# Altium PCB PCB - v4.PcbDoc (part 1 of 2) (continued)
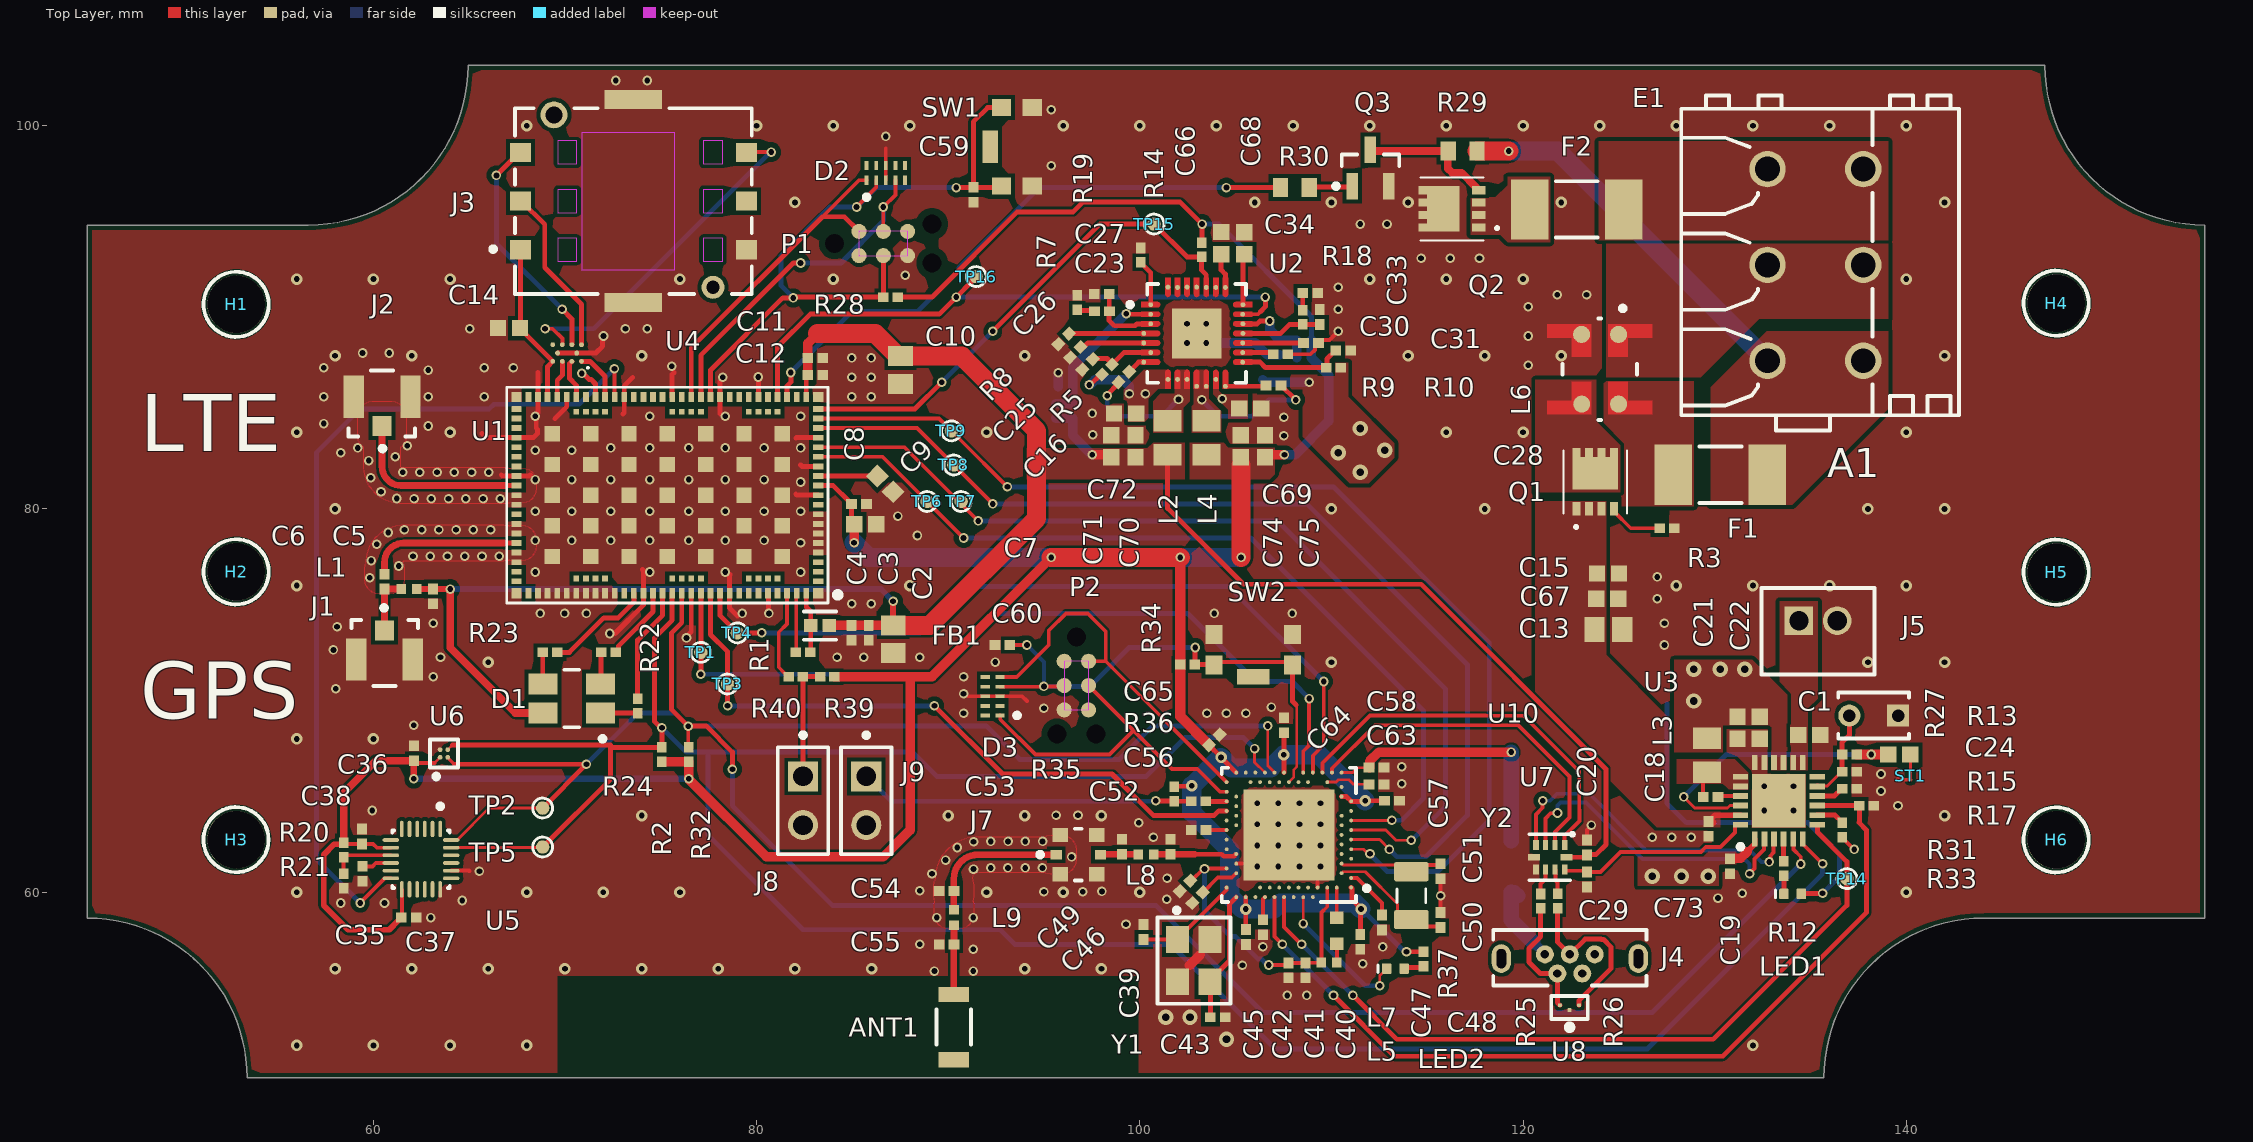
[diagram p0: Top Layer view]
## Footprints (in the part's own frame and the unit in brackets; to place one, negate y for a bottom-side part, rotate by r counter-clockwise, add the part's x,y. Pads: shape width x height; smd on the part's side, far side on the other; paste and mask are expansions set on the pad) (continued)
  rect 0.8x0.8 smd mask+0.05: 103(-6,3.2) 103(-6,-1.6) 103(-6,0) 103(-6,1.6) 103(-6,-3.2) 103(-4,3.2) 103(-4,-1.6) 103(-4,0) 103(-4,1.6) 103(-4,-3.2) 103(-2,1.6) 103(-2,3.2) 103(-2,0) 103(-2,-3.2) 103(-2,-1.6) 103(0,3.2) 103(0,1.6) 103(0,0) 103(0,-1.6) 103(0,-3.2) 103(2,1.6) 103(2,3.2) 103(2,0) 103(2,-3.2) 103(2,-1.6) 103(4,3.2) 103(4,-1.6) 103(4,0) 103(4,1.6) 103(4,-3.2) 103(6,3.2) 103(6,-1.6) 103(6,0) 103(6,1.6) 103(6,-3.2)
  rect 0.3x0.3 smd mask+0.05: 104(-5.75,-4.35) 105(-5.25,-4.35) 106(-4.75,-4.35) 107(-4.25,-4.35) 108(-1.75,-4.35) 109(-1.25,-4.35) 110(-0.75,-4.35) 111(-0.25,-4.35) 112(3.25,-4.35) 113(3.75,-4.35) 114(4.25,-4.35) 115(4.75,-4.35) 116(4.75,4.35) 117(4.25,4.35) 118(3.75,4.35) 119(3.25,4.35) 120(-0.25,4.35) 121(-0.75,4.35) 122(-1.25,4.35) 123(-1.75,4.35) 124(-4.25,4.35) 125(-4.75,4.35) 126(-5.25,4.35) 127(-5.75,4.35)
  silkscreen extent -9.04,-5.63 8.38,5.63
LMZF_5_135_03 [mm] "OMNIMATE Signal - Serie LMZF  LMZF 5/3/135 3.5OR"
  round 1.9 hole 1.3: A1(-4.9,2.25) A1(-4.9,-2.75) A2(0.1,2.25) A2(0.1,-2.75) A3(5.1,2.25) A3(5.1,-2.75)
  silkscreen extent -8.75,-7.25 8.75,7.25, body extent -8.75,-7.25 8.75,7.25, height 12.99
MCIPTG33K-V-Footprint-1 [mm]
  rect 0.9x1 smd paste-1000 mask+0: 1(-2.05,-0.6) 2(-2.05,-2.2) 3(2.05,-0.6) 4(2.05,-2.2)
  rect 1.7x0.8 smd paste-1000 mask+0: 5(0,0)
  body extent -2.5,-2.5 2.5,-0.3, height 1.9
"New footprint 1" [mil]
  round 30.98 smd paste-39370.1: 1(0,0) 2(0,50) 3(50,0) 4(50,50) 5(100,0) 6(100,50)
  round 0 hole 39 unplated paste-39370.1 mask+0: ""(-50,25) ""(150,-15) ""(150,65)
  Keep-Out Layer region: 0,0 100,0 100,50 0,50
NRSC-AQFN-73 [mm] "AQFN, 73-Leads, Body 7x7mm, Pitch 0.5mm"
  rect 4.75x4.75 smd: 74(0,0)
  round 0.2 smd: A8(-1.25,3.25) A10(-0.75,3.25) A12(-0.25,3.25) A14(0.25,3.25) A16(0.75,3.25) A18(1.25,3.25) A20(1.75,3.25) A22(2.25,3.25) A23(2.75,3.25) AA24(3.25,-2.25) AB2(-2.75,-2.5) AC5(-2,-2.75) AC9(-1,-2.75) AC11(-0.5,-2.75) AC13(0,-2.75) AC15(0.5,-2.75) AC17(1,-2.75) AC19(1.5,-2.75) AC21(2,-2.75) AC24(3.25,-2.75) AD2(-2.75,-3.25) AD4(-2.25,-3.25) AD6(-1.75,-3.25) AD8(-1.25,-3.25) AD10(-0.75,-3.25) AD14(0.25,-3.25) AD16(0.75,-3.25) AD18(1.25,-3.25) AD20(1.75,-3.25) AD22(2.25,-3.25) AD23(2.75,-3.25) B1(-3.25,2.75) B3(-2.5,2.75) B5(-2,2.75) B7(-1.5,2.75) B9(-1,2.75) B11(-0.5,2.75) B13(0,2.75) B15(0.5,2.75) B17(1,2.75) B19(1.5,2.75) B24(3.25,2.75) C1(-3.25,2.25) D2(-2.75,2) D23(2.75,2) E24(3.25,1.75) F2(-2.75,1.5) F23(2.75,1.5) G1(-3.25,1.25) H2(-2.75,1) H23(2.75,1) J1(-3.25,0.75) J24(3.25,0.75) K2(-2.75,0.5) L1(-3.25,0.25) L24(3.25,0.25) M2(-2.75,0) N1(-3.25,-0.25) N24(3.25,-0.25) P2(-2.75,-0.5) P23(2.75,-0.5) R1(-3.25,-0.75) R24(3.25,-0.75) T2(-2.75,-1) T23(2.75,-1) U1(-3.25,-1.25) U24(3.25,-1.25) V23(2.75,-1.5) W1(-3.25,-1.75) W24(3.25,-1.75) Y2(-2.75,-2) Y23(2.75,-2)
  silkscreen extent -4.19,-3.5 3.5,3.5, body extent -3.5,-3.5 3.5,3.5, height 0.85
NXP-SOT23_N [mm] "SOT23, 3-Leads, Body 3x1.4mm, Pitch 0.95mm, IPC Medium Density"
  rect 1.4x0.6 smd: 1(-0.95,0.95) 2(-0.95,-0.95) 3(0.95,0)
  silkscreen extent -1.07,-1.5 0.7,1.92, body extent -0.7,-1.5 0.7,1.5, height 1.1
ONSC-WLCSP-10-567BL-01 [mm] "BGA, 10-Balls, Body 1.96x1.33mm"
  round 0.25 smd: A1(-0.75,0.435) A2(-0.25,0.435) A3(0.25,0.435) A4(0.75,0.435) B1(-0.5,0) B2(0.5,0) C1(-0.75,-0.435) C2(-0.25,-0.435) C3(0.25,-0.435) C4(0.75,-0.435)
  silkscreen extent -1.14,0.72 -1.04,0.82, body extent -0.98,-0.66 0.98,0.66, height 0.72
PI3USB221EQ1ZUAEX-Footprint-1 [mm]
  rect 0.53x0.3 smd paste-1000 mask+0.06: 1(-0.64,0.75) 4(-0.64,-0.75) 6(0.64,-0.75) 9(0.64,0.75)
  rect 0.53x0.25 smd paste-1000 mask+0.06: 2(-0.64,0.25) 3(-0.64,-0.25) 7(0.64,-0.25) 8(0.64,0.25)
  rect 0.35x0.63 smd paste-1000 mask+0.06: 5(0,-0.84) 10(0,0.84)
  silkscreen extent -1.25,-1.1 1.2,1.2, body extent -0.75,-1 0.75,1, height 0.48
QFN50P400X400X80-25N-D [mm]
  rect 0.8x0.3 smd: 1(-2,1.25) 2(-2,0.75) 3(-2,0.25) 4(-2,-0.25) 5(-2,-0.75) 6(-2,-1.25) 13(2,-1.25) 14(2,-0.75) 15(2,-0.25) 16(2,0.25) 17(2,0.75) 18(2,1.25)
  rect 0.3x0.8 smd: 7(-1.25,-2) 8(-0.75,-2) 9(-0.25,-2) 10(0.25,-2) 11(0.75,-2) 12(1.25,-2) 19(1.25,2) 20(0.75,2) 21(0.25,2) 22(-0.25,2) 23(-0.75,2) 24(-1.25,2)
  rect 2.8x2.8 smd: 25(0,0)
  silkscreen extent -2.52,1.88 -2.28,2.12, body extent -2.05,-2.05 2.05,2.05, height 0.8
QTB-QBLP595_V [mm] "SMD, 2-Leads, Body 1x0.5mm"
  rrect25% 0.5x0.55 smd: 1(-0.455,0) 2(0.455,0)
  silkscreen extent -0.9,-0.2 -0.9,0.2, body extent -0.5,-0.25 0.5,0.25, height 0.5
"RESC1005X40X25LL10T10 HD" [mm] "Chip Resistor, 2-Leads, Body 1.1x0.6mm, IPC High Density"
  rect 0.55x0.5 smd: 1(-0.375,0) 2(0.375,0)
  body extent -0.55,-0.27 0.55,0.28, height 0.4
RESC1608X55X25ML10T15 [mm] "Chip Resistor, 2-Leads, Body 1.70x0.90mm, IPC Low Density"
  rect 0.8x1 smd: 1(-0.75,0) 2(0.75,0)
  body extent -0.85,-0.45 0.85,0.45, height 0.55
TP_SMD_Ø0.7mm [mm]
  round 0.7 smd paste-5: 1(0,0)
  silkscreen extent -0.52,-0.52 0.52,0.52

## Part data
ANT1: library part CMP-27836-000002-1, "RF ANT 2.4GHZ CHIP SOLDER SMD", Manufacturer=Abracon, Max Frequency=2450MHz, Package=AMCA31, Power Rating=3W, Temperature="-40°C to +85°C", Temperature Range High=+85°C, Temperature Range Low=-40°C, Automotive=No, Bandwidth=100MHz, Category=Ant, ComponentLink2Description=Datasheet, ComponentLink2URL=https://abracon.com/chip-antenna/AMCA31-2R450G-S1F-T3.pdf, Device Class L1="Integrated Circuits (ICs)", Device Class L2="RF Semiconductors and Devices", Device Class L3="RF Antennas", Digikey Description="RF ANT 2.4GHZ CHIP SOLDER SMD", Height=1.4mm, Impedance=50Ω, Lead Free=Yes, Manufacturer Part Number=AMCA31-2R450G-S1F-T3, Mouser Description="Antennas 2.45GHz BW 90dB + Gain -1 dBi avg.", Number of Bands=1, Octopart=https://octopart.com/amca31-2r450g-s1f-t3-abracon-31435383, RoHS=TRUE
C1 C7 C9 C14 C15 C21 C22 C24 C66 C67 C68 C69 C70 C71 C72 C74 C75: library part CMP-001-00014-13, "Chip Capacitor, 0603 (1608 Metric)", Case/Package=0603, Max Operating Temperature=Ceramic, Tolerance=?%, Voltage Rating=?V, Mounting Technology=SMT, Pins=2
C2 C10 C13: library part CMP-001-00018-14, "Chip Capacitor, 0805 (2012 Metric)", Capacitor Type=Ceramic, Case/Package=0805, Max Operating Temperature=125°C, Min Operating Temperature=-55°C, Tolerance=?%, Voltage Rating=?V, Mounting Technology=SMT, Pins=2
C3 C4 C5 C6 C8 C11 C12 C16 C17 C18 C19 C23 C25 C26 C27 C28 C29 C30 C31 C32 C33 C34 C35 C36 C37 C38 C39 C40 C41 C42 C43 C45 C46 C47 C48 C49 C50 C51 C52 C53 C54 C55 C56 C57 C58 C59 C60 C63 C64 C65 C73: library part CMP-001-00008-14, "Chip Capacitor, 0402 (1005 Metric)", Capacitor Type=Ceramic, Case/Package=0402, Tolerance=?%, Voltage Rating=?V, Mounting Technology=SMT, Pins=2
C20: library part CMP-001-00008-10, "Chip Capacitor, 0402 (1005 Metric)", Capacitor Type=Ceramic, Case/Package=0402, Tolerance=?%, Voltage Rating=?V, Mounting Technology=SMT, Pins=2
D1: library part CMP-005-000000-1, "LED RGB DIFFUSED 4PLCC SMD", Colour="Blue, Green, Red", Forward Current=20mA, Forward Voltage=3.1/3.1/2.1V, Manufacturer=Broadcom, Manufacturer Part Number=ASMB-BTE1-0B332, Max Junction Temp=+110°C, Package=0, Power Dissipation=90/90/78mW, Reverse Voltage=4V, Temperature="-40°C to +100°C", Temperature Range High=+100°C, Temperature Range Low=-40°C, Automotive=No, Category=Diode, Design Item ID="ASMB-BTE1-0B332 RGB LED", Device Class L1=Optoelectronics, Device Class L2=LEDs, Device Class L3=unset, Digikey Description="LED RGB DIFFUSED 4PLCC SMD", Height=2.1mm, Lead Free=Yes, Led Orientation="Top View", Luminous Intensity=350/1500/630mcd, Octopart=https://octopart.com/asmb-bte1-0b332-broadcom-71127192, Peak Emmision Wavelength=464/521/629nm, RoHS=TRUE, Source="Moto Symbol Lib.SchLib", Viewing Angle=110°, Wavelength=469/529/622nm
D2 D3: library part CMP-001-0001-2, "ESD protection for ultra high-speed interfaces", ComponentLink1Description=Datasheet, ComponentLink1URL=https://assets.nexperia.com/documents/data-sheet/PUSB3FA0.pdf
E1: library part CMP-1559-01899-1, "OMNIMATE Signal - series LMZF", Colour=Orange, Manufacturer=Weidmueller, Rated_current_use_group_B_UL_1059="15 A", Rated_voltage_for_surge_voltage_class_pollution_degree_II_2="630 V", Rated_voltage_use_group_B_UL_1059="300 V", UL_94_flammability_rating=V-0, ComponentLink1Description="Manufacturer URL", ComponentLink1URL=http://www.weidmueller.com/, ComponentLink2Description="URL Link1", ComponentLink2URL=http://catalog.weidmueller.com/catalog/Start.do?localeId=en&ObjectID=1913820000, Contact_material=E-Cu, Contact_surface=tinned, Insulating_material="Wemid (PA)", Mounting_onto_the_PCB="Solder connection", No_of_poles=3, PackageReference=LMZF_5_135_03, Packaging=Box, PartNumber=1913820000, Pitch_inch="0,197 inch", Pitch_mm="5 mm", Qty="100 PCS", Revision=V1, Short_text_for_material="LMZF 5/3/135 3.5OR", Side_termination_characteristic="closed side", Solder_pin_length_mm="3,5 mm", Solid_max_H05_07_V_U="2,5 mm²", Solid_min_H05_07_V_U="0,13 mm²", Wire_cross_section_AWG_max_UL_1059="AWG 14", Wire_cross_section_AWG_min_UL_1059="AWG 26"
F1 F2: library part CMP-2000-05653-2, "FUSE BRD MNT 5A 125VAC/VDC 2SMD", Fuse Current=5A, Fuse Interrupt Ac Current=50A, Manufacturer="Littelfuse Inc", Max Fuse Ac Voltage=125V, Package=0451, Resistance=0.0125Ω, Temperature="-55°C to +125°C", Temperature Range High=+125°C, Temperature Range Low=-55°C, Automotive=No, Category=Fuse, ComponentLink2Description=Datasheet, ComponentLink2URL=https://www.littelfuse.com/~/media/electronics/datasheets/fuses/littelfuse_fuse_451_453_datasheet.pdf.pdf, Device Class L1="Circuit Protection", Device Class L2=Fuses, Device Class L3=unset, Digikey Description="FUSE BRD MNT 5A 125VAC/VDC 2SMD", Fuse Blow Speed=Fast, Fuse I2T=5.566A2Sec, Fuse Interrupt Dc Current=50A, Height=2.94mm, Lead Free=Yes, Manufacturer Part Number=0451005.MRL, Max Fuse Dc Voltage=125V, Mouser Description="Surface Mount Fuses 125V 5A", Octopart=https://octopart.com/0451005.mrl-littelfuse-566389, RoHS=TRUE, Voltage Rating=125V
F3: library part CMP-2000-05753-2, "FUSE BOARD MNT 1A 63VAC/VDC 1206", Fuse Current=1A, Fuse Interrupt Ac Current=50A, Fuse Voltage Drop=94.7mV, Manufacturer=Littelfuse, Max Fuse Ac Voltage=63V, Package=0468, Resistance=0.079Ω, Temperature="-55°C to +90°C", Temperature Range High=+90°C, Temperature Range Low=-55°C, Automotive=No, Category=Fuse, ComponentLink2Description=Datasheet, ComponentLink2URL=https://m.littelfuse.com/~/media/electronics/datasheets/fuses/littelfuse_fuse_468_datasheet.pdf.pdf, Device Class L1="Circuit Protection", Device Class L2=Fuses, Device Class L3=unset, Digikey Description="FUSE BOARD MNT 1A 63VAC/VDC 1206", Fuse Blow Speed=Slow, Fuse I2T=0.127A2Sec, Fuse Interrupt Dc Current=50A, Height=0.762mm, Lead Free=Yes, Manufacturer Part Number=0468001.NR, Max Fuse Dc Voltage=63V, Mouser Description="Surface Mount Fuses 1A Slo-Blo", Octopart=https://octopart.com/0468001.nr-littelfuse-566477, RoHS=TRUE, Voltage Rating=63V
FB1: library part CMP-006-00021-1, "Ferrite Beads Multi-Layer 120Ohm 25% 100MHz 2A 0.055Ohm DCR 0402 T/R"
H1 H2 H3 H4 H5 H6: library part CMP-022-000001-2, "Regular Non-Plated, 3mm hole", Manufacturer="Nordic Semiconductor", Manufacturer Part Number=N.A., Artikkelnr Noca=N.A., Component Class=Connectors, Component Type="Standard (No BOM)", ComponentLink1Description=Datasheet, ComponentLink1URL=N.A., ComponentLink2Description="Supplier link", ComponentLink2URL=N.A., Design Item ID=Hole_3MM_NP, Footprint Doc=Hole_3MM_NP, HelpURL=N.A., LatestRevisionDate=2009-12-12, Note="Regular Non-Plated, 3mm hole", Pad Count=1, Part Number=Hole_3MM_NP, Part number IPS=N.A., PartId=100500145, Pin Count=1, Published=2009-12-12, Source=pca20035.SCHLIB
J1 J2: library part CMP-000007-1, "CONN U.FL RCPT STR 50 OHM SMD"
J3: library part CMP-002-00073-2, "Push-Pull 6P 1.35mmH 3µ\" gold with peg and logo Nano SIM Card Connector"
J4: library part CMP-1502-03250-1, "Micro USB 2.0 Type B Receptacle WR-COM, Vertical, THT", Contact Resistance=30mOhm, Manufacturer="Wurth Elektronik", Operating Temperature=-40to85degC, Rated Current=1.8A, Working Voltage=30VAC, Connector Type=MicroUSB2.0TypeB, Datasheet URL=https://katalog.we-online.de/em/datasheet/614105150721.pdf, Gender=Receptacle, Manufacturer URL=http://www.we-online.de, Mounting Technology=THT, Orientation=Vertical, Package Reference=614105150721, Packaging=TapeandReel, Part Number=614105150721, Publisher=WurthElektronik
J5: library part CMP-2000-05162-1, "Male Header, Pitch 2 mm, 1 x 2 Position, Height 6 mm, Tail Length 3.4 mm, -25 to 85 degC, RoHS, Bulk", Manufacturer=JST, Datasheet URL=http://datasheet.octopart.com/B2B-PH-K-S%28LF%29%28SN%29-JST-datasheet-8324864.pdf, Datasheet Version=Nov-08, Manufacturer URL=http://www.jst.com/home2.html, No of Positions=2, Pitch=2mm, Style/Orientation=StraightHeader/Plug, Termination=Crimp, Type=ShroudedHeader
J7: library part CMP-000011-2, "CONN SWF JACK STR 50 OHM SMD"
J8 J9: library part CMP-15831-000009-1, "CONN HEADER VERT 2POS 2.54MM", Current Rating=3A, Manufacturer=Harwin, Temperature="-40°C to +105°C", Temperature Range High=+105°C, Temperature Range Low=-40°C, Automotive=No, Category=Conn, ComponentLink2Description=Datasheet, ComponentLink2URL=https://cdn.harwin.com/pdfs/M20-999.pdf, Conn Gender=Male, Conn Orientation=Vertical, Contact Material=Tin,Nickel, Device Class L1=Connectors, Device Class L2="Headers and Wire Housings", Device Class L3=unset, Digikey Description="CONN HEADER VERT 2POS 2.54MM", Height=8.99mm, Lead Free=Yes, Manufacturer Part Number=M20-9990246, Mouser Description="2.54mm (0.1\") Pitch SIL Vertical PC Tail Pin Header, 6.1mm mating pin height, tin, 2 contacts", Number of contacts=2, Number of Rows=1, Octopart=https://octopart.com/m20-9990246-harwin-2590635, Package=M20-9990246, Pitch=2.54mm, RoHS=TRUE
L1 L5 L8 L9: library part CMP-000000-6, "Inductor RF Chip Thin Film 0402", Current Rating=?A, Inductance=?H, Resonant Frequency=?Hz, Pins=2
L2 L3 L4: library part CMP-006-00023-4, "Inductor RF Chip Thin Film 0805", Current Rating=?A, Inductance=?H, Resonant Frequency=?Hz, Pins=2
L6: library part CMP-000010-1, "Ind Common Mode Choke Wirewound 230 Ohm 100MHz 4A Embossed T/R"
L7: library part CMP-000001-5, "Inductor 0603 Multilayer", Current Rating=?A, Package=0603, Voltage Rating=?V
LED1 LED2: library part CMP-007-00040-3, "Chip LED 0402, Red, 0.02 A, 2.0 to 2.5 V, -40 to 80 degC, 2-Pin SMD, RoHS, Tape and Reel", Case/Package=0402, Colour=Red, Mounting Technology=SMT, Pins=2, RoHS Compliant=Yes
P1 P2: library part CMP-002-00072-1, "The TC2030-IDC-NL is our “No Legs” 6-pin Plug-of-Nails™ programming cable fitted with a 6-pin 0.1″ pitch ribbon connector.", ComponentLink1Description=Link, ComponentLink1URL=https://www.tag-connect.com/product/tc2030-idc-nl?fbclid=IwAR1tgnLH4nUig5e5nqm2vOLKgKeHrLJDpX61UscnRNookxhlbYr0vcLwdls
Q1 Q2: library part CMP-028-000000-2, "Trans MOSFET P-CH 30V 50A 8-Pin VDFN EP T/R", Manufacturer_Name="Diodes Inc.", Mouser Part Number=621-DMP3007SCG-13, Arrow Part Number=DMP3007SCG-13, Arrow Price/Stock=https://www.arrow.com/en/products/dmp3007scg-13/diodes-incorporated, Datasheet Link=https://componentsearchengine.com/Datasheets/1/DMP3007SCG-13.pdf, Design Item ID=DMP3007SCG-13, Height=0.85mm, Manufacturer_Part_Number=DMP3007SCG-13, Mouser Price/Stock=https://www.mouser.co.uk/ProductDetail/Diodes-Incorporated/DMP3007SCG-13?qs=lqAf%2FiVYw9j1j9A9Mlh%252Bjg%3D%3D, Source="Moto Symbol Lib.SchLib"
Q3: library part CMP-1259-00088-1, "N-Channel Trench MOSFET, 60 V, 0.3 A, -55 to 150 degC, 3-Pin SOT23, Tape and Reel", Manufacturer="NXP Semiconductors", Automotive Qualified=Y, Channel Type=N, Code_JEDEC=TO-236AB, ComponentLink1Description="Manufacturer URL", ComponentLink1URL=http://www.nxp.com/, ComponentLink2Description=Datasheet, ComponentLink2URL=http://www.nxp.com/documents/data_sheet/2N7002CK.pdf, ComponentLink3Description="Package Specification", ComponentLink3URL=http://www.nxp.com/documents/outline_drawing/sot023_po.pdf, DatasheetVersion="Rev. 01", ID [max] (A)=0.3, IDM [max] (A)=1.2, Mounting Technology="Surface Mount", PackageDescription="3-Pin Small Outline Transistor Package, Body 2.9 x 1.3 mm, Pitch 0.95 mm", PackageReference=SOT23, PackageVersion="06-03-16, 03/2006", Packing="Tape & Reel", PartNumber=2N7002CK,215, VDS [max] (V)=60, VGSth [typ] (V)=1.75
R1 R2 R3 R4 R5 R6 R7 R8 R9 R10 R11 R12 R13 R14 R15 R16 R17 R18 R19 R20 R21 R22 R23 R24 R28 R31 R32 R33 R34 R35 R36 R37 R39 R40: library part CMP-009-00178-4, Package=0403, Design Item ID="Resistor EU", Source="Moto Symbol Lib.SchLib"
R25 R26: library part CMP-009-00178-3, Package=0403, Design Item ID="Resistor EU", Source="Moto Symbol Lib.SchLib"
R27: library part CMP-2000-05824-2, "Thermistor NTC 10KOhm 1% 2-Pin", Max Operating Temperature=110°C, Min Operating Temperature=-50°C, Resistance=10kR, Tolerance=1%, Height=2.4mm, Lead Pitch=2.54mm, Length=17mm, Number of Pins=2, Packaging=Bulk, RoHS Compliant=Yes, Series=AT, Termination=Radial, Width=3.7mm
R29 R30: library part CMP-009-000000-4, Design Item ID="Resistor EU", Source="Moto Symbol Lib.SchLib"
ST1: library part CMP-026-000001-1, "Starpoint", Manufacturer=N.A., Artikkelnr Noca=N.A., Component Class=Connectors, Component Type="Net Tie", ComponentLink1Description=Datasheet, ComponentLink1URL=N.A., ComponentLink2Description="Supplier link", ComponentLink2URL=N.A., Design Item ID="2 pin starpoint", Footprint Doc=N.A., HelpURL=N.A., LatestRevisionDate=2017-08-31, Manufacturer Part Number=N.A., Note=N.A., Pad Count=2, Part Number="2 pin starpoint", Part number IPS=N.A., PartId=100500603, Pin Count=2, Published=2017-08-31, Source=pca20035.SCHLIB
SW1 SW2: library part CMP-011-00014-2, "The MCIPTG33K-V is a Tactile Switch with solder terminal. The 2.8 x 3.8mm vertical push series switch has silver plated stainless steel contact, high-temperature thermoplastic LCP stem and silver plated stainless steel cover.", ComponentLink1Description=Link, ComponentLink1URL=https://www.farnell.com/datasheets/3167256.pdf
TP1 TP2 TP3 TP4 TP5 TP6 TP7 TP8 TP9 TP14 TP15 TP16: library part CMP-025-000000-1, "0.7mm circular SMD testpad", Manufacturer="Nordic Semiconductor", Manufacturer Part Number=N.A., Artikkelnr Noca=N.A., Component Class=Connectors, Component Type="Standard (No BOM)", ComponentLink1Description=Datasheet, ComponentLink1URL=N.A., ComponentLink2Description="Supplier link", ComponentLink2URL=N.A., Design Item ID=TP_SMD_Ø0.7MM, Footprint Doc=TP_SMD_Ø0.7mm, HelpURL=N.A., LatestRevisionDate=2017-12-14, Note=N.A., Pad Count=1, Part Number=TP_SMD_Ø0.7MM, Part number IPS=N.A., PartId=100500474, Pin Count=1, Published=2017-12-14, Source=pca20035.SCHLIB
U1: library part CMP-026-000000-2, "Low power System-in-Package with integrated LTE-M/NB-IoT modem and GPS", Manufacturer="Nordic Semiconductor", Part number IPS=80000002329, Artikkelnr Noca=N.A., Component Class=nRF_Devices, Component Type=Standard, ComponentLink1Description=Datasheet, ComponentLink1URL=N.A., ComponentLink2Description="Supplier link", ComponentLink2URL=N.A., Design Item ID=nRF9160-SICAB1A, Footprint Doc=LGA-161, HelpURL=N.A., LatestRevisionDate=2020-08-13, Manufacturer Part Number=nRF9160-SICAB1A, Note=N.A., Pad Count=161, Part Number=nRF9160-SICAB1A, PartId=102000165, Pin Count=127, Published=2020-08-13, Source=pca20035.SCHLIB
U2: library part CMP-019-00049-6, "TPS65252 4.5V to 16V Input, 3A/2"
U3: library part CMP-010-000003-3, "BQ25890H I2C Controlled Single Cell 5-A Fast Charger with MaxChargeTM Technology for High Input Voltage and Adjustable Voltage USB On-the-Go Boost Mode", Design Item ID=BQ25890H, Source="Moto Symbol Lib.SchLib"
U4: library part CMP-1066-00070-1, "SIM Card EMI Filter Array with ESD Protection, -40 to 85 degC, 10-Pin WLCSP, Pb-Free, Tape and Reel", Manufacturer="On Semiconductor", C Typ (pF)=20, ComponentLink1Description="Manufacturer URL", ComponentLink1URL=http://www.onsemi.com/, ComponentLink2Description=Datasheet, ComponentLink2URL=http://www.onsemi.com/pub_link/Collateral/CM1402-D.PDF, ComponentLink3Description="Package Specification", ComponentLink3URL=http://www.onsemi.com/pub_link/Collateral/567BL.PDF, DatasheetVersion="Rev. 4", Mounting Technology="Surface Mount", Number of Lines=4, PackageDescription="10-Ball Wafer Level Chip Scale Package, Body 1.96 x 1.33 mm", PackageReference=WLCSP-10-567BL-01, PackageVersion="Rev. O, 07/2010", Packing="Tape and Reel", PartNumber=CM1402-03CP, RoHS=Pb-Free
U5: library part CMP-000008-2, "IMU ACCEL/GYRO/COMPI2C/SPI 24QFN"
U6: library part CMP-010-00024-1, "The MAX31875 is a ±1°C-Accurate Local Temperature Sensor with I2C/SMBus Interface."
U7: library part CMP-015-00008-3, "High-Speed USB2.0 1:2 Multiplexer/DeMultiplexer Switch with Signal Enable", ComponentLink1Description=Datasheet, ComponentLink1URL=https://4donline.ihs.com/images/VipMasterIC/IC/DIOD/DIOD-S-A0012930327/DIOD-S-A0012956463-1.pdf?hkey=6D3A4C79FDBF58556ACFDE234799DDF0
U8: library part CMP-04985-000020-1, "TVS DIODE 3.6V 8.4V 3X2SON", Clamping Voltage=8.4V, Max Operating Temperature=125°C, Min Breakdown Voltage=5.1V, Min Operating Temperature=-40°C, Peak Pulse Current=2.5A, Peak Pulse Power=20W, Power Line Protection=No, Resistor Type=Zener, Reverse Standoff Voltage=3.6V, Interface=USB, Mount="Surface Mount", Number of Bidirectional Channels=2, Number Of Channels=2, Number of Pins=3, Packaging="Tape and Reel", RoHS Compliant=Yes
U10: library part CMP-020-00024-2, "Advanced multi-protocol SoC supporting Bluetooth 5/ANT/ 802.15.4/ 2.4GHz proprietary"
Y1: library part CMP-003-00030-1, "Crystal 32MHz ±10ppm (Tol) ±10ppm (Stability) 10pF FUND 50Ohm 4-Pin SMD T/R"
Y2: library part CMP-003-00029-1, "Crystal 32.768kHz 10ppm 7pF -40C +85C", Frequency=32.768kHz, Pins=2

## Via types
v1: diameter 0.5, hole 0.3, Top Layer to Bottom Layer, 321 vias
v2: diameter 0.6, hole 0.3, Top Layer to Bottom Layer, 100 vias
v3: diameter 0.8, hole 0.4, Top Layer to Bottom Layer, 14 vias

## Nets (pads, with @x,y where several pads share a name; then routed paths per layer and width w, separated by ;. In a path a pad name is that pad's centre, name@x,y a point inside that pad or via, vN(x,y) a via of type N, cw(c..) or ccw(c..) an arc to the next point about the centre after c; other vN are vias at no path point)
+1v8: C7.2 C8.2 C32.2 C36.2 C37.2 C38.2 C45.2 C48.2 C57.2 C64.2 C65.2 C74.2 C75.2 L4.2 R2.2 R11.2 R14.2 R20.2 R28.2 R32.2 R34.2 R35.1 R37.1 R39.1 U1.12 U5.8 U5.13 U6.A1 U10.A22 U10.AD14 U10.AD23 U10.B1 U10.W1 U10.Y2 | length 192.5
  Top Layer w0.13: 63.191,66.747 U6.A1@63.481,67.037
  Top Layer w0.2: R20.2@58.515,62.514 C38.2@59.41,62.514 59.981,62.514 60.173,62.322 U5.8@60.91,62.322 ; C37.2@61.485,58.815 U5.13@61.485,60.147 ; C36.2@62.12,66.858 62.231,66.747 63.191,66.747
  Top Layer w0.254: U1.12@83.213,81.221 83.997,81.221 84.801,80.417 84.801,80.397 84.934,80.264 C8.2@84.954,80.264 84.954,79.338 C7.2@85.092,79.2 ; R28.2@87.37,91.059 89.154,91.059 93.599,95.504 96.52,95.504 97.028,96.012 102.108,96.012 v1(103.251,94.869) 103.238,94.856 103.238,93.916 R14.2@103.224,93.903 ; R35.1@101.795,65.5 101.823,65.528 102.679,65.528 v2(102.708,65.556) ; v1(102.108,77.47) v1@102.111,77.467 ; R34.2@102.111,71.885 R34.2@102.114,71.882 ; C65.2@103.612,67.673 103.612,67.667 104.242,67.037 v2(104.242,67.03) U10.AD23@105.031,66.241 ; U10.A22@105.531,59.741 105.531,59.122 v2(105.524,59.115) 105.53,59.108 105.53,58.055 C45.2@105.537,58.048 ; C64.2@107.523,68.322 107.521,68.32 107.521,67.176 v2(107.519,67.174) 107.531,67.162 U10.AD14@107.531,66.241 ; U10.Y2@110.531,64.991 110.781,64.991 U10.W1@111.031,64.741 111.731,64.741 v2(111.76,64.77) C57.2@112.776,64.77 ; U10.B1@111.031,60.241 111.081,60.191 111.081,59.612 111.546,59.147 v2(111.546,59.115) 111.526,59.095 111.526,57.814 C48.2@111.506,57.794 ; v1(113.919,56.896) 113.922,56.893 114.805,56.893 R37.1@114.808,56.89
  Top Layer w0.3: R20.2@58.447,62.582 58.372,62.507 57.961,62.507 57.404,61.95 57.404,59.309 58.674,58.039 60.824,58.039 61.329,58.544 61.329,58.564 61.439,58.674 C37.2@61.459,58.674
  Top Layer w0.33: v1(62.103,65.913) 62.112,65.922 62.112,66.85 C36.2@62.12,66.858
  Top Layer w0.4: R20.2@58.447,62.582 58.447,65.178 60.127,66.858 C36.2@62.12,66.858
  Top Layer w0.5: R2.2@75.184,66.802 R32.2@76.454,66.802 v1(76.454,65.913) 80.518,61.849 86.614,61.849 88.011,63.246 88.011,71.247 ; R39.1@84.062,71.247 88.011,71.247 ; v1(85.09,78.232) 85.092,78.234 C7.2@85.092,79.2 ; v1(95.377,77.47) 89.154,71.247 88.011,71.247 ; C75.2@106.532,82.691 106.666,82.825 v1(107.548,82.825)
  Top Layer w0.55: R34.2@102.111,71.885 v1@102.111,77.467 ; R34.2@102.114,71.882 102.114,69.17 C65.2@103.612,67.673
  Top Layer w1: v1(95.377,77.47) v1(102.108,77.47) ; v1(105.285,77.472) C74.2@105.285,82.295
  Bottom Layer w0.254: v1(103.251,94.869) 104.14,94.869 108.963,90.046 C32.2@108.963,88.794 ; v2(111.546,59.115) 111.595,59.115 113.813,56.896 v1(113.919,56.896)
  Bottom Layer w0.33: v1(62.103,65.913) v1(76.454,65.913)
  Bottom Layer w0.5: v1@105.283,77.47 v1(105.285,77.472) ; v1(107.548,82.825) 108.098,82.825 109.855,84.582 109.855,86.989 R11.2@108.939,87.905 108.939,88.784 108.949,88.794 C32.2@108.963,88.794
  Bottom Layer w1: v1(85.09,78.232) 85.852,77.47 v1(95.377,77.47) ; v1(102.108,77.47) v1@105.283,77.47 ; v2(111.546,59.115) 111.225,59.436 107.315,59.436 106.994,59.115 105.361,59.115 104.693,59.783 104.693,62.185 102.708,64.17 v2(102.708,65.556) 102.738,65.556 104.212,67.03 v2(104.242,67.03) 104.784,66.488 106.833,66.488 v2(107.519,67.174) 109.356,67.174 v2(111.76,64.77)